# Altium PCB Core.PcbDoc (part 2 of 3) (continued)
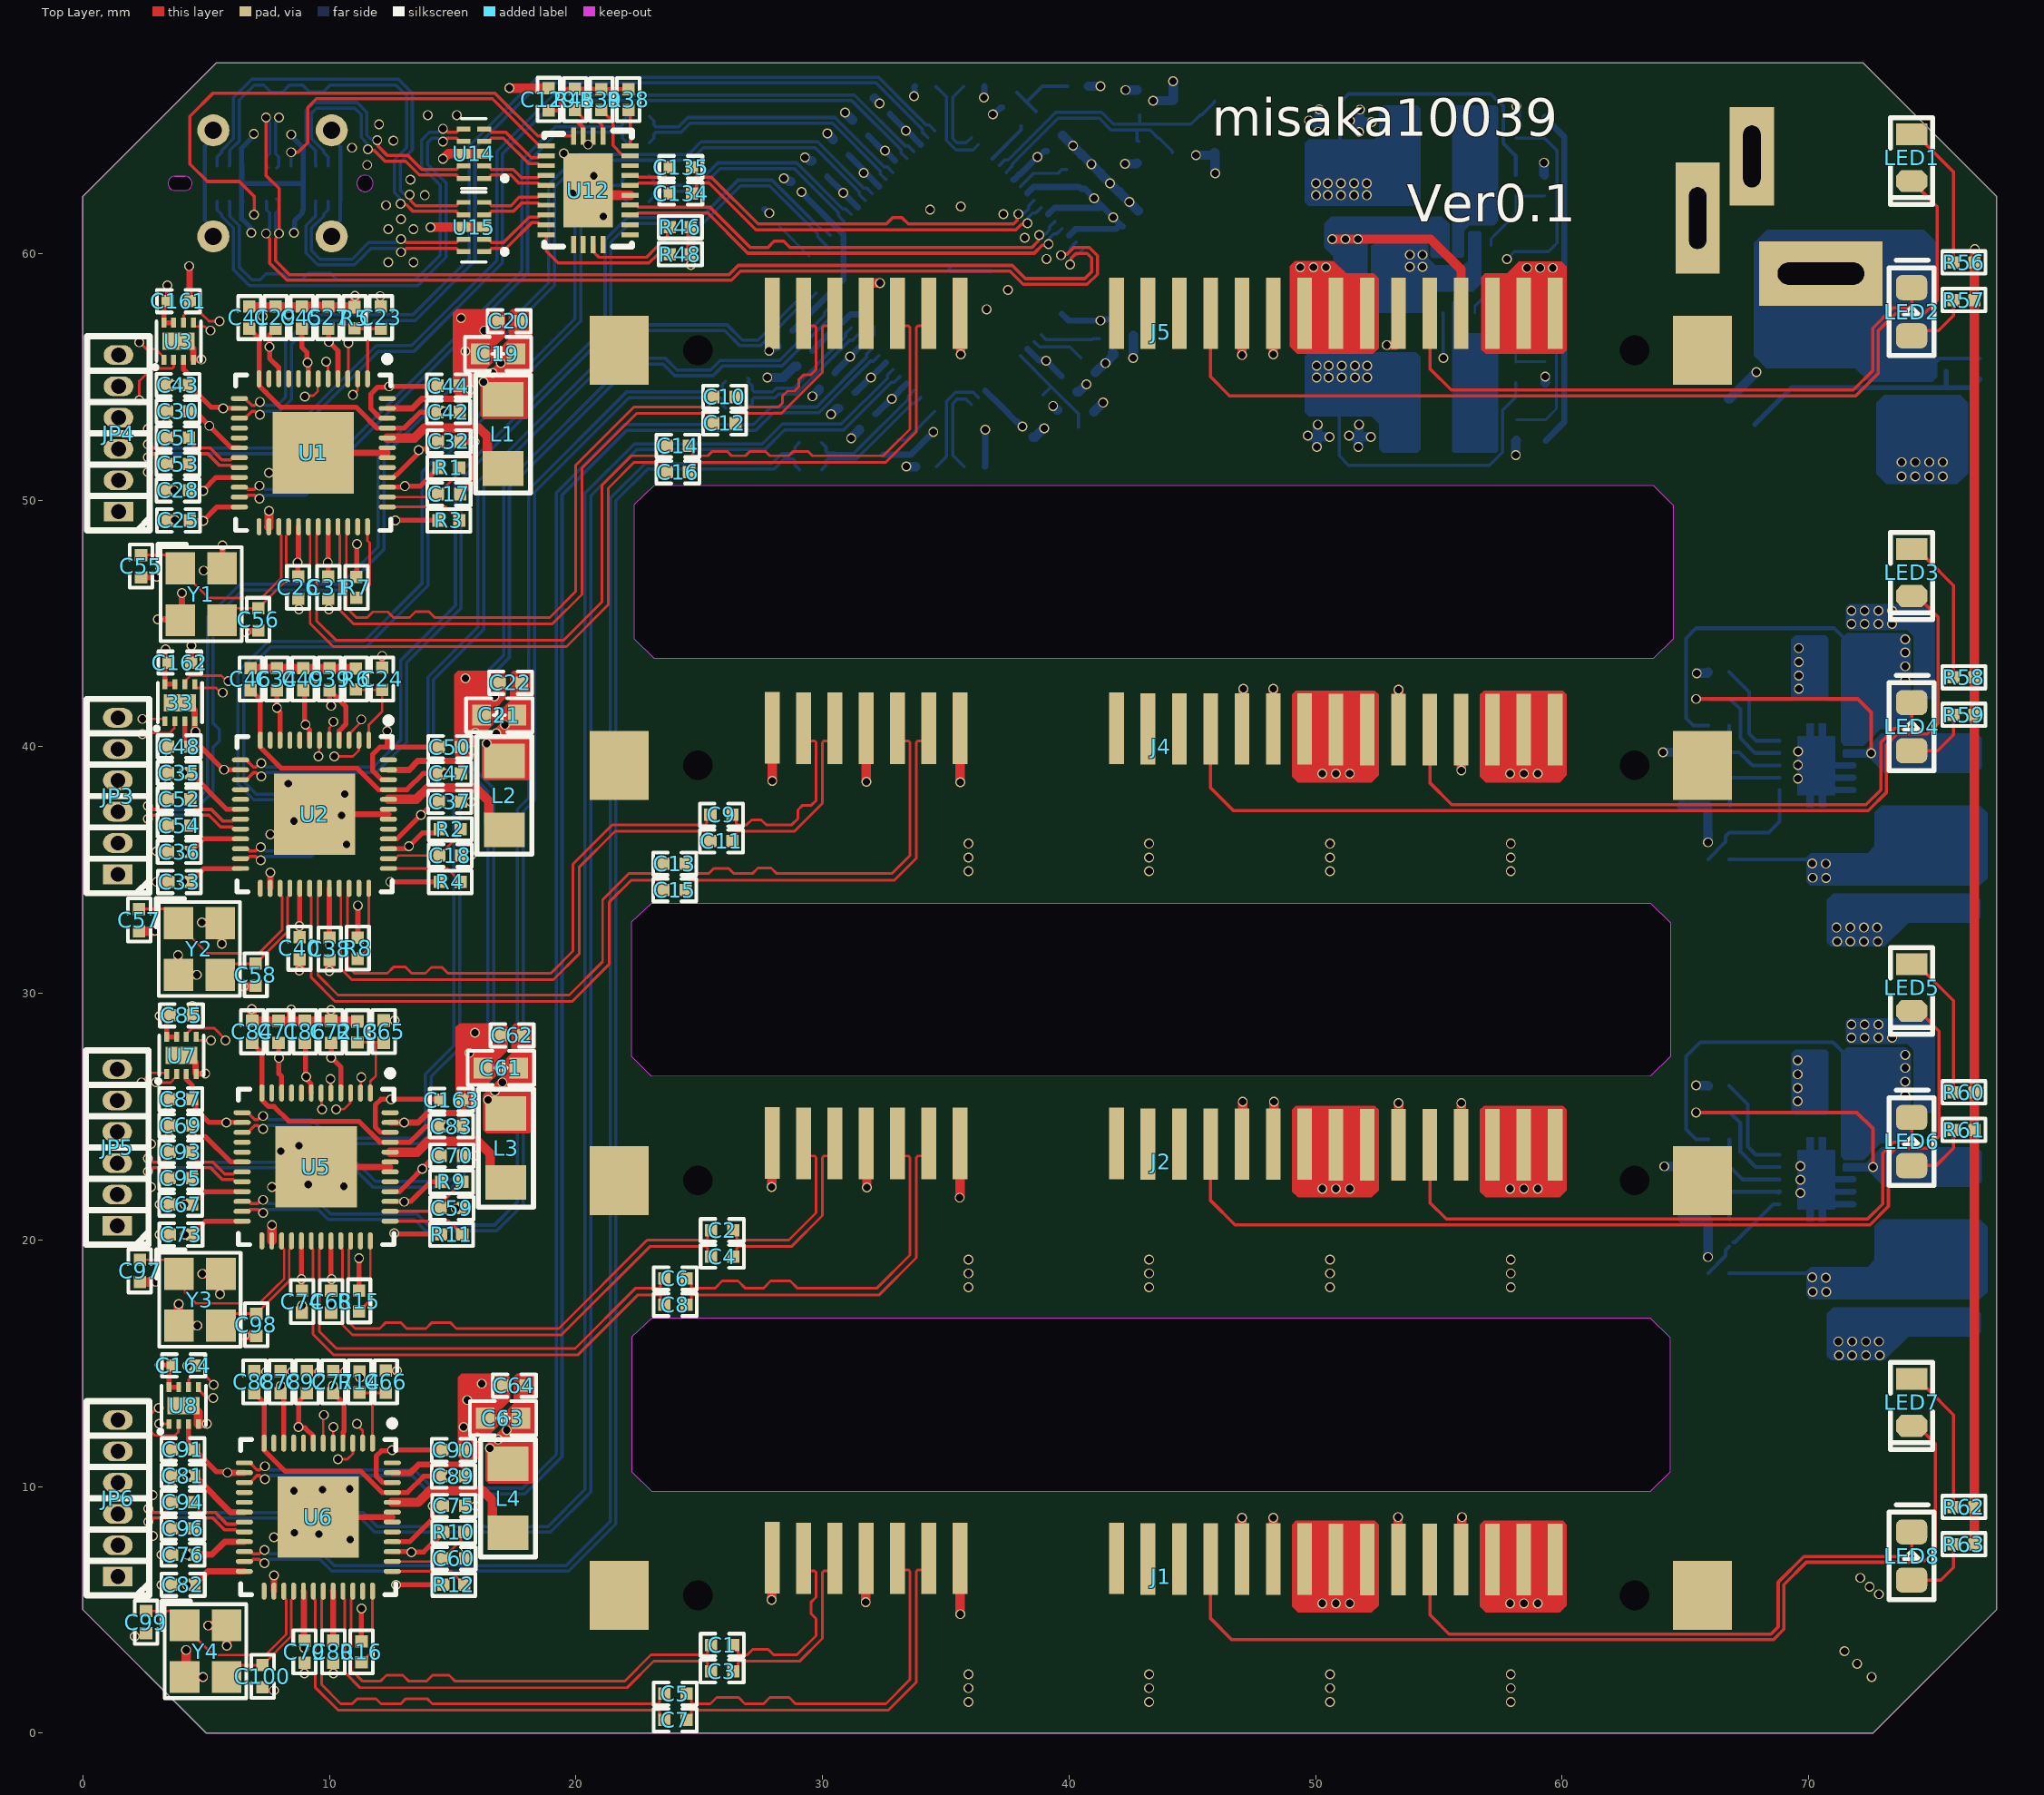
[diagram p0: Top Layer view]
## Nets (pads, with @x,y where several pads share a name; then routed paths per layer and width w, separated by ;. In a path a pad name is that pad's centre, name@x,y a point inside that pad or via, vN(x,y) a via of type N, cw(c..) or ccw(c..) an arc to the next point about the centre after c; other vN are vias at no path point) (continued)
GPIO1-C: JP5.4 U5.3 U7.6 | length 18.5
  Top Layer w0.102: U7.6@4.201,28.233 4.251,28.282 4.251,28.398 4.438,28.585 5.333,28.585 5.791,28.127 v1(5.791,28.092) ; v1@10.276,25.3 10.594,25.3 10.844,25.551 10.844,25.943 U5.3@10.863,25.962
  Layer 1 w0.102: JP5.4@1.397,24.384 1.482,24.469 2.314,24.469 2.896,25.051 2.896,25.782 3.354,26.24 3.354,26.553 3.18,26.728 3.18,27.607 4.043,28.47 5.448,28.47 5.791,28.127 v1(5.791,28.092) 5.872,28.092 5.986,27.978 10.345,27.978 10.719,27.605 10.719,25.743 v1(10.276,25.3)
GPIO1-D: JP6.4 U6.3 U8.6 | length 24.2
  Top Layer w0.102: U8.6@4.289,14.034 4.293,14.038 4.293,14.341 4.399,14.447 5.014,14.447 5.309,14.152 v1(5.309,14.126) ; v1(10.35,11.107) 10.726,11.107 10.95,11.331 U6.3@10.95,11.763
  Layer 1 w0.102: JP6.4@1.041,10.211 1.041,10.341 0.533,10.849 0.533,11.709 0.838,12.014 1.803,12.014 2.21,12.421 2.21,13.208 2.862,13.86 5.009,13.86 5.275,14.126 5.82,14.126 6.02,14.326 6.02,15.138 6.605,15.723 11.497,15.723 12.333,14.886 12.333,12.503 11.797,11.967 10.858,11.967 10.352,11.46 v1(10.35,11.107) v1(10.35,11.107)
GPIO2-A: JP4.3 U1.5 U3.5 | length 15.7
  Top Layer w0.102: U3.5@4.486,57.189 4.486,57.089 4.535,57.04 4.932,57.04 5.101,56.871 v1(5.182,56.871) ; v1(9.871,55.608) 9.871,55.527 9.947,55.45 U1.5@9.947,54.918
  Layer 1 w0.102: JP4.3@1.448,52.07 1.734,52.356 1.734,52.562 3.175,54.003 3.175,54.307 3.175,56.49 3.731,57.045 4.973,57.045 5.147,56.871 10.058,56.871 10.138,56.791 10.36,56.57 10.38,56.549 10.38,55.904 10.125,55.649 9.912,55.649 v1(9.871,55.608)
GPIO2-B: 33.5 JP3.3 U2.5 | length 16.3
  Top Layer w0.102: 33.5@4.537,42.533 4.537,42.433 4.586,42.384 5.404,42.384 5.599,42.189 v1(5.679,42.189) ; U2.5@9.998,40.262 9.998,40.767 10.166,40.935 v1(10.166,41.015)
  Layer 1 w0.102: JP3.3@1.422,37.363 1.433,37.363 1.967,37.897 2.337,37.897 2.845,38.405 2.845,40.073 3.277,40.505 3.277,41.554 3.969,42.246 5.605,42.246 v1@5.691,42.246 ; v1@5.605,42.264 5.656,42.212 v1(5.679,42.189) ; v1@5.714,42.224 5.748,42.189 10.375,42.189 10.61,41.954 10.61,41.535 10.166,41.09 v1(10.166,41.015)
GPIO2-C: JP5.3 U5.5 U7.5 | length 15.8
  Top Layer w0.102: U7.5@4.602,28.233 4.602,28.142 4.651,28.092 v1(5.195,28.092) ; v1(10.044,26.526) 10.053,26.516 10.053,25.971 U5.5@10.063,25.962
  Layer 1 w0.102: JP5.3@1.397,23.114 1.397,23.617 1.612,23.832 2.038,23.832 3.099,24.892 3.099,25.698 3.558,26.156 3.558,26.637 3.383,26.812 3.383,27.437 4.213,28.267 4.987,28.267 5.161,28.092 v1(5.195,28.092) 5.653,27.635 6.655,27.635 6.794,27.775 10.233,27.775 10.454,27.553 10.454,26.936 v1(10.044,26.526)
GPIO2-D: JP6.3 U6.5 U8.5 | length 22.2
  Top Layer w0.102: U8.5@4.689,14.034 4.689,13.934 4.967,13.657 5.226,13.657 v1(5.283,13.6) ; U6.5@10.15,11.763 10.155,11.768 10.155,12.416 v1(10.16,12.421)
  Layer 1 w0.102: JP6.3@1.422,8.89 1.433,8.89 1.756,9.213 1.756,9.224 2.175,9.642 2.175,11.827 2.413,12.065 2.413,13.124 2.946,13.657 5.213,13.657 5.317,13.553 5.455,13.691 5.793,13.691 6.223,14.121 6.223,15.053 6.689,15.519 11.413,15.519 12.13,14.802 12.13,12.587 11.713,12.17 10.411,12.17 v1(10.16,12.421)
GPIO3-A: JP4.2 U1.6 U3.1 | length 27.2
  Top Layer w0.102: v1(2.285,56.392) 2.307,56.392 2.581,56.119 2.956,56.119 3.286,55.789 U3.1@3.286,55.689 ; v1(9.001,54.199) 9.036,54.235 9.353,54.235 9.533,54.415 9.533,54.903 U1.6@9.547,54.918
  Layer 1 w0.102: JP4.2@1.448,50.8 1.194,50.8 0.406,51.587 0.406,54.915 0.787,55.296 2.083,55.296 2.285,55.498 2.285,57.276 3.2,58.191 10.592,58.191 11.696,57.087 11.696,54.234 11.311,53.849 9.806,53.849 9.456,54.199 v1(9.001,54.199)
GPIO3-B: 33.1 JP3.2 U2.6 | length 26.5
  Top Layer w0.102: v1(2.413,41.123) 3.288,41.123 3.337,41.073 33.1@3.337,41.033 ; v1(9.561,39.6) 9.58,39.619 9.58,40.243 U2.6@9.598,40.262
  Layer 1 w0.102: JP3.2@1.422,36.093 1.289,36.227 0.781,36.227 0.432,36.576 0.432,40.181 0.789,40.538 1.829,40.538 v1(2.413,41.123) 2.413,42.443 3.632,43.663 11.151,43.663 11.884,42.929 11.884,39.489 11.561,39.166 9.977,39.166 9.561,39.582 v1(9.561,39.6)
GPIO3-C: JP5.2 U5.6 U7.1 | length 24.8
  Top Layer w0.102: v1(2.388,26.391) 2.772,26.775 3.36,26.775 U7.1@3.402,26.733 ; U5.6@9.663,25.962 9.681,25.943 9.681,25.32 v1(9.703,25.298)
  Layer 1 w0.102: JP5.2@1.397,21.844 1.118,21.844 0.432,22.53 0.432,25.67 1.133,26.372 2.369,26.372 v1(2.388,26.391) 2.388,27.812 3.452,28.877 10.468,28.877 11.684,27.661 11.684,25.375 11.201,24.892 10.109,24.892 v1(9.703,25.298)
GPIO3-D: JP6.2 U6.6 U8.1 | length 22.5
  Top Layer w0.102: v1(3.099,12.548) 3.476,12.548 U8.1@3.489,12.534 ; U6.6@9.75,11.763 9.75,12.875 v1(9.779,12.903)
  Layer 1 w0.102: JP6.2@1.422,7.62 3.24,7.62 3.632,8.012 3.632,9.423 3.458,9.597 ; v1@3.099,12.542 3.099,9.957 3.236,9.819 ; v1(3.099,12.548) 3.57,13.019 5.695,13.019 6.629,13.953 6.629,14.885 6.857,15.113 11.244,15.113 11.723,14.634 11.723,13.32 11.364,12.961 9.988,12.961 9.836,12.96 v1(9.779,12.903) ; 3.236,9.819 3.457,9.597
GPIO4-A: U1.8
GPIO4-B: U2.8
GPIO4-C: U5.8
GPIO4-D: U6.8
GPIO5-A: U1.9
GPIO5-B: U2.9
GPIO5-C: U5.9
GPIO5-D: U6.9
GPIO6-A: U1.11
GPIO6-B: U2.11
GPIO6-C: U5.11
GPIO6-D: U6.11
HOT1: J1.P4 LED7.2 | length 40.3
  Top Layer w0.131: J1.P4@45.74,7.066 45.74,4.653 46.603,3.79 68.56,3.79 68.99,4.221 68.99,6.025 69.899,6.934 74.065,6.934 74.129,6.999 74.715,6.999 75.133,7.417 75.133,11.735 74.406,12.462 LED7.2@74.168,12.462
HOT2: J2.P4 LED5.2 | length 40.7
  Top Layer w0.131: J2.P4@45.74,23.889 45.74,21.595 46.722,20.613 72.48,20.613 73.228,21.361 73.228,23.419 73.533,23.724 74.803,23.724 75.286,24.206 75.286,28.473 74.474,29.285 LED5.2@74.168,29.285
HOT3: J4.P4 LED3.2 | length 40.6
  Top Layer w0.131: J4.P4@45.74,40.719 45.74,38.334 46.664,37.41 72.412,37.41 73.152,38.151 73.152,40.081 73.583,40.512 74.802,40.512 75.235,40.945 75.235,45.263 74.39,46.108 LED3.2@74.168,46.108
HOT4: J5.P4 LED1.2 | length 40.2
  Top Layer w0.131: J5.P4@45.74,57.549 45.74,54.996 46.511,54.225 71.902,54.225 71.982,54.305 71.984,54.305 72.822,55.143 72.822,56.871 73.508,57.556 74.676,57.556 75.209,58.09 75.209,61.89 74.554,62.545 74.554,62.552 74.174,62.931 LED1.2@74.168,62.931
HSD1_N: U6.13 U13.10 | length 68.1
  Top Layer w0.131: U6.13@6.55,10.963 6.782,10.963 7.065,10.679 7.18,10.679 7.327,10.826 v1(7.391,10.826)
  Bottom Layer w0.131: v1(7.391,10.826) 7.455,10.826 7.603,10.679 13.449,10.679 14.197,9.931 17.832,9.931 19.202,11.301 19.202,50.298 21.969,53.064 27.209,53.064 27.916,53.772 29.759,53.772 31.782,55.794 31.782,55.912 U13.10@32.007,56.137
HSD1_P: U6.15 U13.9 | length 68.2
  Top Layer w0.131: U6.15@6.55,10.163 6.782,10.163 7.065,10.447 7.18,10.447 7.327,10.299 v1(7.391,10.299)
  Bottom Layer w0.131: v1(7.391,10.299) 7.455,10.299 7.603,10.447 13.353,10.447 14.101,9.699 17.929,9.699 19.435,11.205 19.435,50.201 22.066,52.832 27.305,52.832 28.012,53.539 29.856,53.539 31.946,55.63 32.064,55.63 U13.9@32.289,55.855
HSD2_N: U5.13 U13.19 | length 53.5
  Top Layer w0.131: U5.13@6.463,25.162 6.694,25.162 6.978,24.878 7.104,24.878 7.251,25.025 v1(7.315,25.025)
  Bottom Layer w0.131: v1(7.315,25.025) 7.388,25.025 7.535,24.878 9.284,24.878 10.031,24.13 13.564,24.13 13.894,24.46 13.894,26.719 15.05,27.876 15.05,37.604 13.995,38.659 13.995,42.823 16.024,44.851 16.024,50.744 22.383,57.103 26.133,57.103 26.746,56.49 27.387,56.49 29.237,58.339 29.237,58.457 U13.19@29.462,58.682
HSD2_P: U5.15 U13.18 | length 53.7
  Top Layer w0.131: U5.15@6.463,24.362 6.694,24.362 6.978,24.645 7.104,24.645 7.251,24.498 v1(7.315,24.498)
  Bottom Layer w0.131: v1(7.315,24.498) 7.379,24.498 7.526,24.645 9.187,24.645 9.935,23.898 13.66,23.898 14.126,24.364 14.126,26.623 15.283,27.779 15.283,37.7 14.228,38.755 14.228,42.727 16.256,44.755 16.256,50.648 22.479,56.871 26.037,56.871 26.65,56.257 27.483,56.257 29.401,58.175 29.519,58.175 U13.18@29.744,58.4
HSD3_N: U2.13 U13.23 | length 42
  Top Layer w0.131: U2.13@6.398,39.462 6.629,39.462 6.913,39.178 7.028,39.178 7.175,39.325 v1(7.239,39.325)
  Bottom Layer w0.131: v1(7.239,39.325) 7.303,39.325 7.45,39.178 11.797,39.178 12.903,40.284 12.903,43.509 15.113,45.718 15.113,50.927 21.184,56.998 21.184,60.552 22.078,61.446 25.05,61.446 26.574,62.97 27.955,62.97 29.151,61.774 29.967,60.958 30.084,60.958 U13.23@30.31,60.733
HSD3_P: U2.15 U13.22 | length 42.1
  Top Layer w0.131: U2.15@6.398,38.662 6.629,38.662 6.913,38.946 7.028,38.946 7.175,38.798 v1(7.239,38.798)
  Bottom Layer w0.131: v1(7.239,38.798) 7.303,38.798 7.45,38.946 11.893,38.946 13.136,40.188 13.136,43.412 15.345,45.622 15.345,50.831 21.416,56.901 21.416,60.456 22.174,61.214 25.146,61.214 26.67,62.738 27.858,62.738 29.055,61.542 29.802,60.794 29.802,60.676 U13.22@30.028,60.451 U13.22@30.253,60.226
HSD4_N: U1.13 U13.38 | length 38.8
  Top Layer w0.131: U1.13@6.347,54.118 6.578,54.118 6.862,53.834 6.977,53.834 7.124,53.981 v1(7.188,53.981)
  Bottom Layer w0.131: v1(7.188,53.981) 7.252,53.981 7.399,53.834 7.888,53.834 8.226,54.172 8.226,56.408 9.328,57.51 13.385,57.51 15.672,59.796 15.672,64.362 18.455,67.146 32.264,67.146 33.64,65.769 34.209,65.201 34.327,65.201 U13.38@34.552,64.975
HSD4_P: U1.15 U13.37 | length 38.9
  Top Layer w0.131: U1.15@6.347,53.318 6.578,53.318 6.862,53.601 6.977,53.601 7.124,53.454 v1(7.188,53.454)
  Bottom Layer w0.131: v1(7.188,53.454) 7.252,53.454 7.399,53.601 7.984,53.601 8.458,54.075 8.458,56.312 9.424,57.277 10.566,57.277 10.821,57.022 11.582,57.022 11.837,57.277 13.481,57.277 15.904,59.7 15.904,64.266 18.552,66.913 32.168,66.913 33.408,65.673 34.045,65.036 34.045,64.919 U13.37@34.27,64.693
IN_CC1: J3.A5 U12.1 | length 13.4
  Top Layer w0.131: v1(8.446,64.101) 8.454,64.109 8.737,64.109 9.119,64.491 9.119,65.913 9.474,66.269 16.612,66.269 18.486,64.395 18.763,64.395 U12.1@18.798,64.36
  Bottom Layer w0.131: J3.A5@8.446,63.56 v1(8.446,64.101)
IN_CC2: J3.B5 U12.28 | length 23
  Top Layer w0.131: v1(6.946,61.579) 6.946,62.32 6.35,62.916 5.055,62.916 4.344,63.627 4.344,65.558 5.287,66.501 16.708,66.501 18.449,64.76 U12.28@19.898,64.76
  Bottom Layer w0.131: v1(6.946,61.579) J3.B5@6.946,62.12
IN_SSRX1_N: J3.B11 U15.9 | length 9.1
  Top Layer w0.131: v1(12.903,60.583) 12.967,60.583 13.114,60.436 15.149,60.436 15.226,60.512 15.226,60.535 15.261,60.57 U15.9@15.443,60.57
  Bottom Layer w0.131: J3.B11@9.946,62.12 9.946,61.77 9.763,61.587 9.763,61.512 9.279,61.028 9.279,60.114 9.627,59.766 10.924,59.766 11.593,60.436 12.692,60.436 12.839,60.583 v1(12.903,60.583)
IN_SSRX1_P: J3.B10 U15.10 | length 9.3
  Top Layer w0.131: v1(12.903,60.056) 12.967,60.056 13.114,60.203 15.149,60.203 15.226,60.127 15.226,60.104 15.261,60.07 U15.10@15.443,60.07
  Bottom Layer w0.131: J3.B10@9.446,62.12 9.43,62.104 9.43,61.508 9.047,61.124 9.047,60.017 9.53,59.534 11.02,59.534 11.438,59.952 ; 11.464,59.978 11.689,60.203 12.692,60.203 12.839,60.056 v1(12.903,60.056)
IN_SSRX2_N: J3.A10 U15.7 | length 18
  Top Layer w0.131: v1(12.886,62.01) 12.931,61.965 13.14,61.965 13.401,61.703 14.868,61.703 15.149,61.703 15.226,61.627 15.226,61.604 15.261,61.57 U15.7@15.443,61.57
  Bottom Layer w0.131: J3.A10@5.946,63.56 5.962,63.575 5.962,64.171 6.346,64.555 6.346,66.215 6.958,66.827 7.341,66.827 7.631,66.537 8.09,66.537 8.38,66.827 8.915,66.827 9.195,66.548 9.754,66.548 10.033,66.827 12.7,66.827 13.132,66.396 13.132,64.286 12.637,63.791 12.637,62.467 12.841,62.263 12.841,62.055 v1(12.886,62.01)
IN_SSRX2_P: J3.A11 U15.6 | length 18
  Top Layer w0.131: v1(13.259,62.382) 13.304,62.337 13.304,62.129 13.497,61.936 14.964,61.936 15.149,61.936 15.226,62.012 15.226,62.035 15.261,62.07 U15.6@15.443,62.07
  Bottom Layer w0.131: J3.A11@5.446,63.56 5.446,63.91 5.629,64.092 5.629,64.167 6.113,64.651 6.113,66.311 6.862,67.06 12.796,67.06 13.364,66.492 13.364,64.19 12.87,63.695 12.87,62.563 13.005,62.428 13.214,62.428 v1(13.259,62.382)
IN_SSTX1_N: J3.A3 U14.9 | length 10.8
  Top Layer w0.131: v1(11.938,64.592) 11.983,64.547 11.983,64.339 12.355,63.967 13.193,63.967 13.751,63.409 15.149,63.409 15.226,63.486 15.226,63.508 15.261,63.543 U14.9@15.443,63.543
  Bottom Layer w0.131: J3.A3@9.446,63.56 9.43,63.575 9.43,64.171 9.047,64.555 9.047,65.789 9.374,66.116 11.125,66.116 11.521,65.72 11.521,64.801 11.684,64.637 11.893,64.637 v1(11.938,64.592)
IN_SSTX1_P: J3.A2 U14.10 | length 10.5
  Top Layer w0.131: v1(11.565,64.22) 11.611,64.174 11.819,64.174 12.259,63.734 13.097,63.734 13.655,63.177 15.149,63.177 15.226,63.1 15.226,63.077 15.261,63.043 U14.10@15.443,63.043
  Bottom Layer w0.131: J3.A2@9.946,63.56 9.946,63.91 9.763,64.092 9.763,64.167 9.279,64.651 9.279,65.693 9.47,65.884 11.029,65.884 11.289,65.624 11.289,64.704 11.52,64.473 11.52,64.265 v1(11.565,64.22)
IN_SSTX2_N: J3.B2 U14.7 | length 19.3
  Top Layer w0.131: v1(14.605,64.529) v1@14.633,64.529 ; 14.783,64.679 v1@14.633,64.529 ; U14.7@15.443,64.543 15.261,64.543 15.226,64.577 15.226,64.6 15.149,64.677 14.945,64.677 14.816,64.677 14.669,64.529 v1@14.633,64.529
  Bottom Layer w0.131: J3.B2@5.446,62.12 5.446,61.77 5.629,61.587 5.629,61.512 6.113,61.028 6.113,59.344 6.762,58.696 13.585,58.696 14.736,59.846 14.736,62.86 13.974,63.622 13.974,64.494 14.156,64.677 14.394,64.677 14.541,64.529 v1(14.605,64.529)
IN_SSTX2_P: J3.B3 U14.6 | length 19
  Top Layer w0.131: v1(14.605,65.056) 14.669,65.056 14.816,64.909 15.041,64.909 15.149,64.909 15.226,64.986 15.226,65.008 15.261,65.043 U14.6@15.443,65.043
  Bottom Layer w0.131: J3.B3@5.946,62.12 5.962,62.104 5.962,61.508 6.346,61.124 6.346,59.44 6.858,58.928 7.188,58.928 7.437,59.177 8.133,59.177 8.382,58.928 8.89,58.928 9.144,59.182 10.058,59.182 10.312,58.928 13.489,58.928 14.503,59.942 14.503,62.763 13.741,63.525 13.741,64.591 14.06,64.909 14.394,64.909 14.541,65.056 v1(14.605,65.056)
LED1: U13.69
LED2: U13.70
LED3: U13.71
LED4: U13.72
LXO-A: L1.1 U1.44 | length 5.7
  Top Layer w0.381: U1.44@12.347,52.518 13.452,52.518 13.852,52.917 16.07,52.917 16.409,52.577 16.409,51.789 16.509,51.689 L1.1@16.916,51.689
LXO-B: L2.1 U2.44 | length 5.6
  Top Layer w0.381: U2.44@12.398,37.862 13.529,37.862 13.995,38.329 15.926,38.329 16.459,37.795 16.459,37.356 ; 16.46,37.356 16.46,36.906 L2.1@16.637,36.728
LXO-C: L3.1 U5.44 | length 5.4
  Top Layer w0.381: U5.44@12.463,23.562 13.554,23.562 13.995,24.003 16.027,24.003 16.524,23.506 16.524,22.833 16.624,22.733 L3.1@16.739,22.733
LXO-D: L4.1 U6.44 | length 6.2
  Top Layer w0.381: U6.44@12.55,9.363 13.605,9.363 14.072,9.83 16.231,9.83 16.612,9.449 16.612,8.858 ; 16.612,8.857 16.612,8.635 16.915,8.331 L4.1@17.501,8.331
NetC17_2: C17.2 R1.2 U1.38 | length 3.5
  Top Layer w0.102: U1.38@12.347,50.118 14.278,50.118 15.126,50.965 15.126,51.16 R1.2@15.274,51.308
NetC18_2: C18.2 R2.2 U2.38 | length 3.5
  Top Layer w0.102: U2.38@12.398,35.462 12.675,35.462 12.798,35.585 C18.2@14.453,35.585 15.177,36.309 15.177,36.504 R2.2@15.324,36.652
NetC23_1: C23.1 R5.2 U1.1 | length 3.1
  Top Layer w0.131: R5.2@11.024,56.969 11.045,56.947 11.568,56.947 ; U1.1@11.547,54.918 11.547,56.926 11.568,56.947 ; C23.1@12.09,56.947 11.568,56.947
NetC24_1: C24.1 R6.2 U2.1 | length 3.3
  Top Layer w0.102: R6.2@11.074,42.313 11.089,42.298 C24.1@12.141,42.298 12.141,41.427 11.598,40.885 U2.1@11.598,40.262
NetC59_2: C59.2 R9.2 U5.38 | length 3.5
  Top Layer w0.127: U5.38@12.463,21.162 14.394,21.162 14.677,21.445 14.677,21.64 R9.2@15.389,22.352
NetC60_2: C60.2 R10.2 U6.38 | length 3.5
  Top Layer w0.102: U6.38@12.55,6.963 14.481,6.963 15.329,7.811 15.329,8.006 R10.2@15.477,8.153
NetC65_1: C65.1 R13.2 U5.1 | length 3.2
  Top Layer w0.102: R13.2@11.139,28.013 11.887,28.013 ; U5.1@11.663,25.962 11.663,26.429 11.887,26.654 11.887,28.013 ; C65.1@12.206,27.998 12.191,28.013 11.887,28.013
NetC66_1: C66.1 R14.2 U6.1 | length 3.1
  Top Layer w0.102: R14.2@11.227,13.814 11.241,13.799 11.768,13.799 ; U6.1@11.75,11.763 11.75,13.782 11.768,13.799 ; C66.1@12.294,13.799 11.768,13.799
NetC101_1: C101.1 L5.1 U9.2 | length 10.3
  Top Layer w0.152: v1(65.43,25.171) 71.946,25.171 72.603,24.514 v1(72.603,22.956)
  Bottom Layer w0.152: v1(65.43,25.171) 65.89,25.171 C101.1@65.9,25.162 ; U9.2@71.807,22.954 71.881,22.88 71.883,22.882 72.463,22.882 72.536,22.956 v1(72.603,22.956)
NetC101_2: C101.2 U9.9 | length 3.6
  Bottom Layer w0.152: C101.2@66.8,25.162 67.224,24.738 67.224,23.576 67.846,22.954 U9.9@68.807,22.954
NetC110_2: C110.2 R19.1 U9.7 | length 3.2
  Bottom Layer w0.152: C110.2@66.8,20.822 66.771,20.851 R19.1@66.771,21.907 66.817,21.954 68.761,21.954 U9.7@68.784,21.931
  Bottom Layer w0.203: U9.7@68.784,21.931 U9.7@68.807,21.954
NetC111_2: C111.2 R19.2 | length 1.1
  Bottom Layer w0.152: C111.2@64.848,21.795 65.809,21.795 R19.2@65.921,21.907
NetC112_1: C112.1 L6.1 U10.2 | length 10.2
  Top Layer w0.152: v1(65.43,41.935) 71.984,41.935 72.527,41.392 v1(72.527,39.741)
  Bottom Layer w0.152: v1(65.43,41.935) 65.891,41.935 C112.1@65.898,41.943 ; U10.2@71.808,39.742 v1@72.526,39.742
NetC112_2: C112.2 U10.9 | length 3.6
  Bottom Layer w0.152: C112.2@66.798,41.943 67.224,41.516 67.224,40.34 67.821,39.743 U10.9@68.807,39.743
NetC121_2: C121.2 R25.1 U10.7 | length 3.1
  Bottom Layer w0.152: C121.2@66.798,37.603 66.798,38.716 66.825,38.743 U10.7@68.807,38.743
NetC122_2: C122.2 R25.2 | length 1.1
  Bottom Layer w0.152: C122.2@64.846,38.575 65.807,38.575 R25.2@65.92,38.688
NetC131_1: C131.1 R40.1 U13.68 | length 4.4
  Bottom Layer w0.131: U13.68@38.018,55.855 39.279,54.595 ; R40.1@38.938,54.254 39.279,54.595 ; C131.1@40.373,52.946 40.373,53.501 39.279,54.595
NetJP1_1: JP1.1 Q1.1 R18.2 | length 10.5
  Bottom Layer w0.203: JP1.1@67.809,53.057 69.31,54.559 72.554,54.559 75.575,54.559 ; Q1.1@75.575,55.216 75.575,54.559 ; R18.2@76.937,54.896 76.6,54.559 75.575,54.559
NetL7_2: L7.2 U11.6 | length 3.9
  Bottom Layer w0.109: U11.6@55.809,60.319 55.809,61.824 56.591,62.606 L7.2@56.591,63.906
NetL8_2: L8.2 U11.3
NetLED1_1: LED1.1 R56.2 | length 6
  Top Layer w0.131: LED1.1@74.168,64.831 74.358,64.831 74.738,64.452 74.738,64.43 75.864,63.304 R56.2@75.864,59.634
NetLED2_1: LED2.1 R57.2 | length 2.4
  Top Layer w0.131: LED2.1@74.397,56.761 74.508,56.872 75.262,56.872 75.864,57.474 R57.2@75.864,58.111
NetLED3_1: LED3.1 R58.2 | length 6
  Top Layer w0.131: LED3.1@74.168,48.008 74.547,47.629 74.774,47.629 75.864,46.539 R58.2@75.864,42.812
NetLED4_1: LED4.1 R59.2 | length 2.8
  Top Layer w0.131: LED4.1@74.168,39.837 75.219,39.837 75.864,40.482 R59.2@75.864,41.291
NetLED5_1: LED5.1 R60.2 | length 6
  Top Layer w0.131: LED5.1@74.168,31.185 74.547,30.806 74.757,30.806 75.864,29.698 R60.2@75.864,25.984
NetLED6_1: LED6.1 R61.2 | length 2.7
  Top Layer w0.131: LED6.1@74.168,23.014 75.16,23.014 75.864,23.718 R61.2@75.864,24.463
NetLED7_1: LED7.1 R62.2 | length 6
  Top Layer w0.131: LED7.1@74.168,14.362 74.547,13.983 74.79,13.983 75.864,12.909 R62.2@75.864,9.169
NetLED8_1: LED8.1 R63.2 | length 2.8
  Top Layer w0.131: LED8.1@74.168,6.211 75.35,6.211 75.864,6.725 R63.2@75.864,7.661
NetR3_2: R3.2 U1.37 | length 3.1
  Top Layer w0.102: U1.37@12.35,49.721 14.727,49.721 14.758,49.69 R3.2@15.274,49.174
NetR4_2: R4.2 U2.37 | length 3.2
  Top Layer w0.102: U2.37@12.398,35.062 14.781,35.062 R4.2@15.324,34.519
NetR7_2: R7.2 U1.36 | length 3.1
  Top Layer w0.102: R7.2@11.1,46.032 11.633,46.565 11.633,48.266 11.547,48.352 U1.36@11.547,48.918
NetR8_2: R8.2 U2.36 | length 3
  Top Layer w0.102: R8.2@11.151,31.401 11.598,31.849 U2.36@11.598,34.262
NetR11_2: R11.2 U5.37 | length 3.2
  Top Layer w0.127: U5.37@12.463,20.762 14.846,20.762 R11.2@15.389,20.218
NetR12_2: R12.2 U6.37 | length 3.2
  Top Layer w0.102: U6.37@12.55,6.563 14.934,6.563 R12.2@15.477,6.02
NetR15_2: R15.2 U5.36 | length 3.1
  Top Layer w0.109: R15.2@11.204,17.101 11.663,17.56 U5.36@11.663,19.962
NetR16_2: R16.2 U6.36 | length 3.1
  Top Layer w0.102: R16.2@11.303,2.877 11.75,3.324 U6.36@11.75,5.763
NetR17_2: R17.2 R21.1 U9.8 | length 3.3
  Bottom Layer w0.152: R17.2@66.778,24.077 66.778,22.999 R21.1@66.771,22.992 67.31,22.453 U9.8@68.807,22.453
NetR22_1: R22.1 U9.10 | length 4.2
  Bottom Layer w0.152: R22.1@66.771,26.247 67.521,25.498 67.521,23.781 67.848,23.453 U9.10@68.807,23.453
NetR24_2: R24.2 R27.1 U10.8 | length 3.3
  Bottom Layer w0.152: R24.2@66.776,40.858 66.776,39.779 R27.1@66.77,39.773 67.178,39.773 67.708,39.243 U10.8@68.807,39.243
NetR28_1: R28.1 U10.10 | length 4.2
  Bottom Layer w0.152: R28.1@66.77,43.028 67.58,42.218 67.58,40.526 67.863,40.243 U10.10@68.807,40.243
NetR30_2: R30.2 R32.1 U11.4 | length 14.8
  Layer 2 w0.127: v1(55.18,55.753) 55.18,56.501 57.76,59.08 v1(57.76,59.766)
  Bottom Layer w0.127: U11.4@55.159,57.588 55.18,57.567 v1(55.18,55.753) ; v1(57.76,59.766) 58.064,60.071 59.436,60.071 59.792,60.427 59.792,64.167 R30.2@59.284,64.675 R32.1@58.141,64.675
NetR31_2: R31.2 R33.1 U11.2 | length 9.9
  Bottom Layer w0.109: U11.2@56.459,57.588 56.459,57.861 56.737,58.139 56.737,58.142 56.828,58.233 59.445,58.233 59.766,57.912 59.766,53.696 R31.2@59.334,53.264 R33.1@58.141,53.264
NetR34_2: R34.2 R36.1 U11.8 | length 3.6
  Bottom Layer w0.109: U11.8@57.109,60.319 57.109,60.592 57.27,60.753 57.273,60.753 58.115,61.595 R34.2@58.115,62.332 59.277,62.332 R36.1@59.284,62.338
NetR35_2: R35.2 R37.1 U11.1 | length 3.6
  Bottom Layer w0.109: U11.1@57.109,57.588 57.109,57.315 57.27,57.154 57.324,57.154 58.115,56.363 R35.2@58.115,55.601 58.122,55.607 R37.1@59.309,55.607
NetR38_2: R38.2 U12.24 | length 1.5
  Top Layer w0.127: R38.2@22.123,65.811 22.198,65.737 U12.24@22.198,64.36
NetR39_2: R39.2 U12.23 | length 2.5
  Top Layer w0.127: R39.2@21.031,65.811 21.499,65.344 21.499,64.376 21.878,63.997 22.161,63.997 U12.23@22.198,63.96
NetR41_1: R41.1 U13.66 | length 2.2
  Bottom Layer w0.131: U13.66@38.582,56.419 38.795,56.206 40.034,56.206 R41.1@40.466,55.774
NetR42_1: R42.1 U13.65 | length 2.5
  Bottom Layer w0.131: U13.65@38.866,56.703 39.065,56.504 40.927,56.504 40.963,56.54 R42.1@41.224,56.54
NetR43_1: R43.1 U13.75 | length 3.7
  Bottom Layer w0.127: R43.1@35.738,51.359 35.278,51.819 35.278,53.914 35.45,54.086 35.825,54.086 U13.75@36.037,53.874
NetR44_1: R44.1 U13.74 | length 4.3
  Bottom Layer w0.127: R44.1@34.62,51.359 35.029,51.768 35.029,54.003 35.396,54.37
  Bottom Layer w0.131: 35.396,54.37 36.109,54.37 U13.74@36.321,54.158
NetR45_1: R45.1 U12.25 | length 1.8
  Top Layer w0.127: R45.1@19.964,65.818 20.388,65.395 20.847,65.395 21.061,65.181 21.061,64.797 U12.25@21.098,64.76
NetR46_2: R46.2 U12.13 | length 4.2
  Top Layer w0.127: U12.13@20.698,60.36 20.734,60.324 20.734,60.038 20.93,59.842 22.86,59.842 23.241,60.223
  Top Layer w0.131: 23.241,60.223 23.71,60.692 23.71,60.965 R46.2@23.807,61.062
NetR47_1: R47.1 U13.1 | length 2
  Bottom Layer w0.127: R47.1@33.067,52.447 33.407,52.447 U13.1@34.552,53.592
NetR48_2: R48.2 U12.10 | length 6
  Top Layer w0.127: U12.10@18.798,60.76 18.798,60.095 19.279,59.614 22.964,59.614 23.32,59.969 R48.2@23.807,59.969
NetR49_1: R49.1 U13.47 | length 2.2
  Bottom Layer w0.127: U13.47@38.018,62.712 38.552,63.246 39.547,63.246 39.703,63.403 R49.1@39.908,63.403
NetR50_1: R50.1 R51.2 R53.1 | length 3
  Bottom Layer w0.152: R50.1@37.893,66.518 38.274,66.137 ; R51.2@38.655,65.756 38.274,66.137 ; R53.1@39.936,66.777 38.913,66.777 38.274,66.137
NetR51_1: R51.1 U13.43 | length 1.8
  Bottom Layer w0.152: U13.43@36.887,63.844 38.053,65.01 R51.1@38.053,65.155
NetR52_1: R52.1 U13.41 | length 3.9
  Bottom Layer w0.127: R52.1@34.595,66.777 35.029,66.342 35.029,64.579 35.411,64.197 36.109,64.197 U13.41@36.321,64.41
NetR54_1: R54.1 U13.40 | length 3.2
  Bottom Layer w0.127: R54.1@35.719,66.777 35.278,66.335 35.278,64.653 35.45,64.481 35.825,64.481 U13.40@36.037,64.693
NetR55_1: R55.1 U13.20 | length 1.8
  Bottom Layer w0.102: R55.1@28.245,61.189 28.245,61.102 U13.20@29.462,59.885
RX1_N: C5.2 U6.31 | length 18.6
  Top Layer w0.109: U6.31@9.75,5.763 9.75,5.488 9.681,5.419 9.681,1.978 10.461,1.197 10.926,1.197 11.127,1.399 11.889,1.399 12.091,1.197 12.895,1.197 13.102,1.404 13.967,1.404 14.173,1.197 23.319,1.197 23.383,1.261 23.383,1.405 C5.2@23.578,1.6
RX1_P: C7.2 U6.30 | length 18.7
  Top Layer w0.109: U6.30@9.35,5.763 9.35,5.488 9.42,5.419 9.42,1.869 10.353,0.936 23.319,0.936 23.383,0.872 23.383,0.729 C7.2@23.578,0.533
RX2_N: C6.2 U5.31 | length 19.3
  Top Layer w0.109: U5.31@9.663,19.962 9.663,19.687 9.593,19.618 9.593,16.289 10.287,15.596 12.268,15.596 16.154,15.596 19.964,15.596 22.406,18.038 23.372,18.038 23.436,18.102 23.436,18.298 C6.2@23.578,18.44
RX2_P: C8.2 U5.30 | length 19.7
  Top Layer w0.109: U5.30@9.263,19.962 9.263,19.687 9.332,19.618 9.332,16.181 10.179,15.334 20.073,15.334 22.515,17.776 23.372,17.776 23.436,17.712 23.436,17.516 C8.2@23.578,17.374
RX3_N: C13.2 U2.31 | length 21.7
  Top Layer w0.109: U2.31@9.598,34.262 9.598,33.987 9.529,33.918 9.529,32.444 9.529,30.744 10.344,29.929 11.354,29.929 14.376,29.929 19.729,29.929 21.082,31.281 21.082,33.796 22.138,34.852 23.347,34.852 23.411,34.916 23.411,35.113 C13.2@23.553,35.255
RX3_P: C15.2 U2.30 | length 22.1
  Top Layer w0.109: U2.30@9.198,34.262 9.198,33.987 9.267,33.918 9.267,32.552 9.267,30.636 10.236,29.667 19.837,29.667 21.343,31.173 21.343,33.688 22.247,34.591 23.347,34.591 23.411,34.527 23.411,34.331 C15.2@23.553,34.188
RX4_N: C14.2 U1.31 | length 24.7
  Top Layer w0.109: U1.31@9.547,48.918 9.547,48.643 9.478,48.574 9.478,47.24 9.478,45.107 10.262,44.323 ; 10.185,44.399 10.262,44.323 ; 10.363,44.323 10.262,44.323 ; C14.2@23.687,52.197 23.545,52.055 23.545,51.858 23.481,51.794 22.254,51.794 21.049,50.589 21.049,45.865 19.507,44.323 11.506,44.323 10.262,44.323
RX4_P: C16.2 U1.30 | length 25
  Top Layer w0.109: U1.30@9.147,48.918 9.147,48.643 9.217,48.574 9.217,47.348 9.217,44.998 10.153,44.062 19.615,44.062 21.311,45.757 21.311,50.481 22.362,51.533 23.481,51.533 23.545,51.469 23.545,51.273 C16.2@23.687,51.13
SSRX1_N: C94.1 U13.7 | length 75
  Top Layer w0.131: v1@2.634,9.103 v1(2.662,9.103) 2.726,9.103 2.873,8.955 3.353,8.955 3.429,9.032 3.429,9.188 C94.1@3.614,9.373
  Bottom Layer w0.131: v1(2.662,9.103) 2.726,9.103 2.873,8.955 11.363,8.955 11.933,8.386 18.876,8.386 20.371,9.881 20.371,50.278 22.37,52.277 27.563,52.277 28.366,53.08 30.765,53.08 32.629,54.944 32.629,55.064 U13.7@32.855,55.289
SSRX1_P: C96.1 U13.6 | length 75.3
  Top Layer w0.131: v1@2.662,8.71 v1(2.662,8.576) 2.726,8.576 2.873,8.723 3.353,8.723 3.429,8.646 3.429,8.49 C96.1@3.614,8.306
  Bottom Layer w0.131: v1(2.662,8.576) 2.726,8.576 2.873,8.723 11.267,8.723 11.836,8.153 18.972,8.153 20.603,9.784 20.603,50.182 22.466,52.045 27.659,52.045 28.462,52.848 30.861,52.848 32.794,54.78 32.913,54.78 U13.6@33.138,55.005
SSRX2_N: C93.1 U13.16 | length 60.9
  Top Layer w0.131: v1(2.642,23.301) 2.706,23.301 2.853,23.154 3.265,23.154 3.342,23.231 3.342,23.387 C93.1@3.526,23.571
  Bottom Layer w0.131: v1(2.642,23.301) 2.706,23.301 2.853,23.154 3.698,23.154 3.931,23.387 4.634,23.387 4.867,23.154 11.084,23.154 11.86,22.377 14.859,22.377 15.236,22.755 15.236,26.317 16.434,27.514 16.434,38.202 15.135,39.501 15.135,41.778 17.069,43.712 17.069,50.6 22.211,55.742 23.633,55.742 24.101,55.274 25.464,55.274 25.852,55.662 28.257,55.662 30.084,57.489 30.084,57.609 U13.16@30.31,57.834
SSRX2_P: C95.1 U13.15 | length 60.9
  Top Layer w0.131: v1(2.642,22.774) 2.706,22.774 2.853,22.922 3.265,22.922 3.342,22.845 3.342,22.689 C95.1@3.526,22.504
  Bottom Layer w0.131: v1(2.642,22.774) 2.706,22.774 2.853,22.922 10.987,22.922 11.764,22.145 14.955,22.145 15.469,22.658 15.469,26.22 16.666,27.418 16.666,38.298 15.367,39.597 15.367,41.681 17.301,43.616 17.301,50.504 22.307,55.51 23.537,55.51 24.005,55.042 25.56,55.042 25.948,55.43 28.353,55.43 30.249,57.325 30.368,57.325 U13.15@30.593,57.55